# Altium PCB PicoBOB_DLX.pcbdoc (part 1 of 4) (continued)
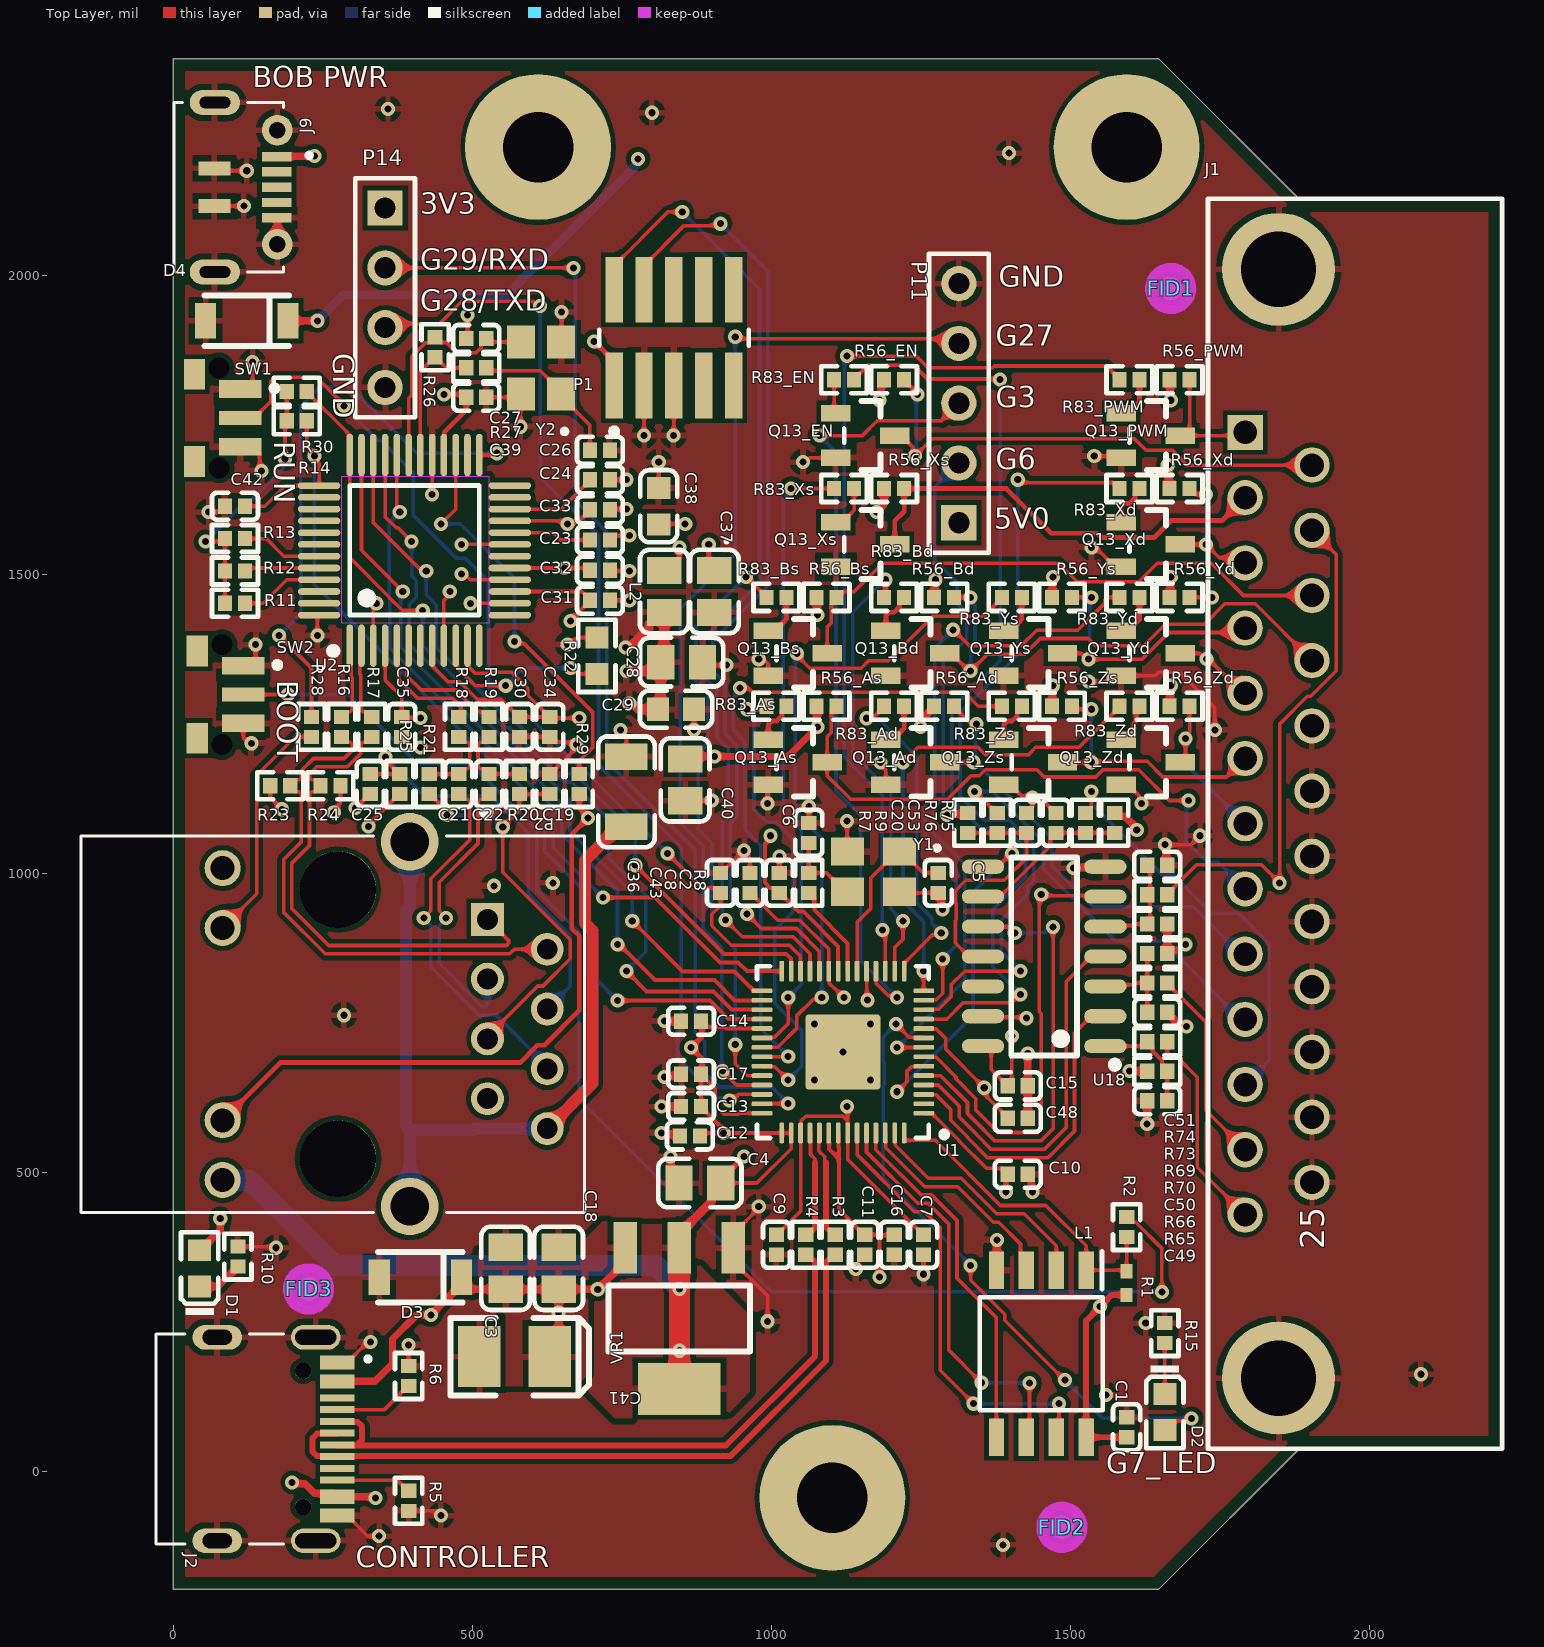
[diagram p0: Top Layer view]
## Design rules (kind name [scope] priority, off if disabled: settings) (continued)
SilkToSolderMaskClearance SilkscreenOverComponentPads [IsPad] p1: minsilkscreentomaskgap=10 clearancetoexposedcopper=TRUE
SolderMaskExpansion [All] p1: expansion=4 istentingtop=FALSE
ViasUnderSMD [All] p1: allowed=FALSE
Width [All] p1: maxlimit=200 minlimit=5 preferedwidth=8 midlayer1_minwidth=6 midlayer2_minwidth=6 bottomlayer_minwidth=6 minimp=50.000000 maximp=50.000000 favimp=50.000000
26 further rules are at their usual default settings.

## Classes and differential pairs
component class EXT_KEYPAD: P11 P14
component class Zs: Q13_Zs R56_Zs R83_Zs
component class Zd: Q13_Zd R56_Zd R83_Zd
component class Ys: Q13_Ys R56_Ys R83_Ys
component class Yd: Q13_Yd R56_Yd R83_Yd
component class Xs: Q13_Xs R56_Xs R83_Xs
component class Xd: Q13_Xd R56_Xd R83_Xd
component class As: Q13_As R56_As R83_As
component class Ad: Q13_Ad R56_Ad R83_Ad
component class MCU: C1 C2 C3 C4 C5 C6 C7 C8 C9 C10 C11 C12 C13 C14 C15 C16 C17 C18 C43 C? J2 L1 P1 R1 R2 R3 R4 R5 R6 R8 U1 U? VR1 VR? Y1
channel class 5V_Output_shift: Ad As Bd Bs EN PWM Xd Xs Yd Ys Zd Zs
component class PWM: Q13_PWM R56_PWM R83_PWM
component class EN: Q13_EN R56_EN R83_EN
component class Bs: Q13_Bs R56_Bs R83_Bs
component class Bd: Q13_Bd R56_Bd R83_Bd
component class PicoBOB_PCBA: AD_L Analog C19 C20 C21 C22 C23 C24 C25 C26 C27 C28 C29 C30 C31 C32 C33 C34 C35 C36 C37 C38 C39 C40 C41 C42 C48 C49 C50 C51 C53 D1 D2 D3 D4 J1 J9 L2 P2 PWM_L R7 R9 R10 R11 R12 R13 R14 R15 R16 R17 R18 R19 R20 R21 R22 R23 R24 R25 R26 R27 R28 R29 R30 R65 R66 R69 R70 R73 R74 R75 R76 SW1 SW2 U2 U18 Y2
differential pair TX: +TX_P -TX_N
differential pair TX_R: +TX_R_P -TX_R_N
differential pair RX: +RX_P -RX_N
differential pair RX_R: +RX_R_P -RX_R_N
differential pair RX_C: +RX_C_P -RX_C_N
differential pair USB_D: +USB_D_P -USB_D_N
differential pair USB_D_R: +USB_D_R_P -USB_D_R_N

## Components (designator, comment, footprint, x,y, rotation, side; value= is the part's Value field where it differs from the comment)
C1 "100nF" 0402_C 1594.49,73.82 r270 top
C2 "4.7uF" 0402_C 1013.78,984.25 r270 top
C3 "22uF" 0805_C 556.1,339.57 r270 top
C4 "22uF" 0805_C 880.91,482.28 r0 top
C5 "10pF" 0402_C 1279.53,984.25 r270 top
C6 "10pF" 0402_C 1062.99,1067.91 r90 top
C7 "100nF" 0402_C 1254.92,378.94 r90 top
C8 "100nF" 0402_C 964.57,984.25 r270 top
C9 "1.0uF" 0402_C 1008.86,378.94 r90 top
C10 "1.0uF" 0402_C 1412.4,497.05 r180 top
C11 "100nF" 0402_C 1156.5,378.94 r90 top
C12 "100nF" 0402_C 864.17,561.02 r0 top
C13 "100nF" 0402_C 866.14,610.24 r0 top
C14 "100nF" 0402_C 866.14,752.95 r0 top
C15 "100nF" 0402_C 1412.4,644.68 r180 top
C16 "100nF" 0402_C 1205.71,378.94 r90 top
C17 "100nF" 0402_C 866.14,664.37 r0 top
C18 "22uF" 0805_C 644.69,339.57 r270 top
C19 "10nF" 0402_C 629.92,1149.61 r270 top
C20 "10nF" 0402_C 1427.17,1084.65 r270 top
C21 "6.8nF" 0402_C 477.36,1149.61 r90 top
C22 "6.8nF" 0402_C 528.22,1149.61 r90 top
C23 "4.7uF" 0402_C 713.58,1557.58 r180 top
C24 "10nF" 0402_C 713.58,1658.46 r180 top
C25 "22nF" 0402_C 329.72,1149.61 r90 top
C26 "10pF" 0402_C 713.58,1707.68 r180 top
C27 "10pF" 0402_C 506.89,1894.68 r0 top
C28 "22uF" 0805_C 850.2,1353.35 r180 top
C29 "4.7uF" 0603_C 840.94,1274.61 r180 top
C30 "100nF" 0402_C 579.07,1245.08 r90 top
C31 "100nF" 0402_C 713.58,1456.69 r180 top
C32 "100nF" 0402_C 713.58,1507.14 r180 top
C33 "100nF" 0402_C 713.58,1608.02 r180 top
C34 "100nF" 0402_C 629.92,1245.08 r90 top
C35 "100nF" 0402_C 382.22,1245.08 r90 top
C36 "1nF" 1206_C 757.87,1136.42 r270 top
C37 "22uF" 0805_C 904.92,1471.46 r90 top
C38 "4.7uF" 0603_C 812.01,1614.17 r270 top
C39 "100nF" 0402_C 506.89,1796.26 r180 top
C40 "22uF" 0805_C 856.3,1156.5 r90 top
C41 "100uF" CASE-B_3528 570.87,191.93 r0 top
C42 "1.0uF" 0402_C 103.35,1614.17 r0 top
C43 "1.0uF" 0402_C 915.35,984.25 r270 top
C48 "1.0uF" 0402_C 1412.4,590.55 r0 top
C49 "10nF" 0402_C 1645.67,620.08 r0 top
C50 "10nF" 0402_C 1645.67,767.72 r180 top
C51 "10nF" 0402_C 1645.67,1013.78 r180 top
C53 "10nF" 0402_C 1476.38,1084.65 r270 top
D1 "0603 Green" 0603_LED_S1 44.29,339.57 r90 top
D2 "0603 White" 0603_LED_S1 1658.46,99.21 r270 top
D3 "ZMM5V6" LL-34 413.39,324.8 r180 top
D4 "ZMM5V6" LL-34 123.03,1924.21 r180 top
FID1 "Fiducial" Fiducial10-20 1668.31,1978.35 r90 top
FID2 "Fiducial" Fiducial10-20 1486.22,-93.5 r90 top
FID3 "Fiducial" Fiducial10-20 226.38,305.12 r90 top
J1 "D-DMR025PF-D002" 618025231121 1976.57,1083.17 r90 top locked
J2 "TYPE-C-31-M-12" HRO_TYPE-C-31-M-12 73.82,54.13 r270 top
J9 "MICROXNJ" SHOUHAN_MICROXNJ 0.98,2147.64 r90 top
L1 "W25Q128JVSIQ_TR" SOIC127P780X195-8N 1451.77,196.85 r270 top
L2 "220Ω @ 100MHz 1 2A" 0805_C 821.26,1471.46 r270 top
P1 "FTSH-105-01-L-DV" SMTC-FTSH-105-01-L-DV_V 837.4,1896.06 r0 top
P2 "Magjack" HANRUN_HR911105A 275.59,748.03 r90 top
P11 "Header 5" HDR1X5 1313.98,1586.42 r90 top
P14 "Header 4" HDR1X4 354.33,2112.8 r270 top locked
Q13_Ad "MMBT5551  G1" SOT-23(SOT-23-3) 1241.2,1186.02 r180 top (schematic designator Q13)
Q13_As "MMBT5551  G1" SOT-23(SOT-23-3) 1044.35,1186.02 r180 top (schematic designator Q13)
Q13_Bd "MMBT5551  G1" SOT-23(SOT-23-3) 1241.2,1368.11 r180 top (schematic designator Q13)
Q13_Bs "MMBT5551  G1" SOT-23(SOT-23-3) 1044.35,1368.11 r180 top (schematic designator Q13)
Q13_EN "MMBT5551  G1" SOT-23(SOT-23-3) 1157.54,1732.28 r180 top (schematic designator Q13)
Q13_PWM "MMBT5551  G1" SOT-23(SOT-23-3) 1634.91,1732.28 r180 top (schematic designator Q13)
Q13_Xd "MMBT5551  G1" SOT-23(SOT-23-3) 1634.91,1550.2 r180 top (schematic designator Q13)
Q13_Xs "MMBT5551  G1" SOT-23(SOT-23-3) 1157.54,1550.2 r180 top (schematic designator Q13)
Q13_Yd "MMBT5551  G1" SOT-23(SOT-23-3) 1634.91,1368.11 r180 top (schematic designator Q13)
Q13_Ys "MMBT5551  G1" SOT-23(SOT-23-3) 1438.06,1368.11 r180 top (schematic designator Q13)
Q13_Zd "MMBT5551  G1" SOT-23(SOT-23-3) 1634.91,1186.02 r180 top (schematic designator Q13)
Q13_Zs "MMBT5551  G1" SOT-23(SOT-23-3) 1438.06,1186.02 r180 top (schematic designator Q13)
R1 "DNP" 0402 1594.49,314.96 r270 top value=0R
R2 "1KΩ ±1%" 0402_R 1594.49,408.46 r270 top
R3 "22Ω ±1%" 0402_R 1107.28,378.94 r90 top
R4 "22Ω ±1%" 0402_R 1058.07,378.94 r90 top
R5 "5.1KΩ ±1%" 0402_R 393.7,-49.21 r270 top
R6 "5.1KΩ ±1%" 0402_R 393.7,159.45 r90 top
R7 "100KΩ ±1%" 0402_R 1328.74,1084.65 r90 top
R8 "470Ω ±1%" 0402_R 1062.99,984.25 r270 top
R9 "510Ω ±1%" 0402_R 1377.95,1084.65 r270 top
R10 "5.1KΩ ±1%" 0402_R 108.27,359.25 r90 top
R11 "10KΩ ±1%" 0402_R 103.35,1451.77 r0 top
R12 "10KΩ ±1%" 0402_R 103.35,1505.91 r0 top
R13 "10KΩ ±1%" 0402_R 103.35,1560.04 r0 top
R14 "10KΩ ±1%" 0402_R 206.69,1756.89 r180 top
R15 "510Ω ±1%" 0402_R 1658.46,231.3 r270 top
R16 "33Ω ±1%" 0402_R 281.61,1245.08 r90 top
R17 "33Ω ±1%" 0402_R 331.91,1245.08 r90 top
R18 "33Ω ±1%" 0402_R 477.36,1245.08 r90 top
R19 "33Ω ±1%" 0402_R 528.22,1245.08 r90 top
R20 "49.9Ω ±1%" 0402_R 579.07,1149.61 r90 top
R21 "49.9Ω ±1%" 0402_R 428.15,1149.61 r90 top
R22 "12.4KΩ ±1%" 0603_R 708.66,1363.98 r270 top
R23 "49.9Ω ±1%" 0402_R 179.13,1146.65 r0 top
R24 "49.9Ω ±1%" 0402_R 262.8,1146.65 r180 top
R25 "10Ω ±1%" 0402_R 378.94,1149.61 r90 top
R26 "1MΩ ±1%" 0402_R 437.99,1879.92 r90 top
R27 "0Ω ±1%" 0402_R 506.89,1845.47 r0 top
R28 "330Ω ±1%" 0402_R 231.3,1245.08 r270 top
R29 "330Ω ±1%" 0402_R 679.13,1149.61 r270 top
R30 "4.7KΩ ±1%" 0402_R 206.69,1806.1 r180 top
R56_Ad "330Ω ±1%" 0402_R 1289.37,1279.53 r180 top (schematic designator R56)
R56_As "330Ω ±1%" 0402_R 1092.52,1279.53 r180 top (schematic designator R56)
R56_Bd "330Ω ±1%" 0402_R 1289.37,1461.61 r180 top (schematic designator R56)
R56_Bs "330Ω ±1%" 0402_R 1092.52,1461.61 r180 top (schematic designator R56)
R56_EN "330Ω ±1%" 0402_R 1205.71,1825.79 r180 top (schematic designator R56)
R56_PWM "330Ω ±1%" 0402_R 1683.07,1825.79 r180 top (schematic designator R56)
R56_Xd "330Ω ±1%" 0402_R 1683.07,1643.7 r180 top (schematic designator R56)
R56_Xs "330Ω ±1%" 0402_R 1205.71,1643.7 r180 top (schematic designator R56)
R56_Yd "330Ω ±1%" 0402_R 1683.07,1461.61 r180 top (schematic designator R56)
R56_Ys "330Ω ±1%" 0402_R 1486.22,1461.61 r180 top (schematic designator R56)
R56_Zd "330Ω ±1%" 0402_R 1683.07,1279.53 r180 top (schematic designator R56)
R56_Zs "330Ω ±1%" 0402_R 1486.22,1279.53 r180 top (schematic designator R56)
R65 "100KΩ ±1%" 0402_R 1645.67,669.29 r180 top
R66 "510Ω ±1%" 0402_R 1645.67,718.5 r180 top
R69 "100KΩ ±1%" 0402_R 1645.67,866.14 r0 top
R70 "510Ω ±1%" 0402_R 1645.67,816.93 r180 top
R73 "100KΩ ±1%" 0402_R 1645.67,915.35 r0 top
R74 "510Ω ±1%" 0402_R 1645.67,964.57 r180 top
R75 "100KΩ ±1%" 0402_R 1574.8,1084.65 r90 top
R76 "510Ω ±1%" 0402_R 1525.59,1084.65 r270 top
R83_Ad "2.2KΩ ±1%" 0402_R 1205.71,1279.53 r0 top (schematic designator R83)
R83_As "2.2KΩ ±1%" 0402_R 1008.86,1279.53 r0 top (schematic designator R83)
R83_Bd "2.2KΩ ±1%" 0402_R 1205.71,1461.61 r0 top (schematic designator R83)
R83_Bs "2.2KΩ ±1%" 0402_R 1008.86,1461.61 r0 top (schematic designator R83)
R83_EN "2.2KΩ ±1%" 0402_R 1122.05,1825.79 r180 top (schematic designator R83)
R83_PWM "2.2KΩ ±1%" 0402_R 1599.41,1825.79 r0 top (schematic designator R83)
R83_Xd "2.2KΩ ±1%" 0402_R 1599.41,1643.7 r0 top (schematic designator R83)
R83_Xs "2.2KΩ ±1%" 0402_R 1122.05,1643.7 r0 top (schematic designator R83)
R83_Yd "2.2KΩ ±1%" 0402_R 1599.41,1461.61 r0 top (schematic designator R83)
R83_Ys "2.2KΩ ±1%" 0402_R 1402.56,1461.61 r0 top (schematic designator R83)
R83_Zd "2.2KΩ ±1%" 0402_R 1599.41,1279.53 r0 top (schematic designator R83)
R83_Zs "2.2KΩ ±1%" 0402_R 1402.56,1279.53 r0 top (schematic designator R83)
SW1 "SKRTLAE010" ALPS-SKRTLAE010_V 73.82,1761.81 r270 top
SW2 "SKRTLAE010" ALPS-SKRTLAE010_V 78.74,1299.21 r270 top
U1 "RP2040" RP2040 1120.08,701.28 r180 top
U2 "W5500" LQFP-48_7x7x05P 403.54,1540.35 r0 top
U18 "74HC14D" SOIC-14_150mil 1456.69,861.22 r90 top
VR1 "AMS1117-3.3" SOT-223 846.46,255.91 r90 top
Y1 "YSX321SL" YSX321SL 1171.26,1003.02 r180 top
Y2 "25.0 MHz" YSX321SL 615.16,1845.47 r90 top

## Footprints (in the part's own frame and the unit in brackets; to place one, negate y for a bottom-side part, rotate by r counter-clockwise, add the part's x,y. Pads: shape width x height; smd on the part's side, far side on the other; paste and mask are expansions set on the pad)
0402 [mm] "Chip Capacitor, Body 1.0x0.5mm, IPC High Density"
  rect 0.6x0.5 smd: 1(-0.5,0) 2(0.5,0)
  body extent -0.55,-0.3 0.55,0.3, height 1.3
0402_C [mm]
  rect 0.6x0.65 smd mask+0.051: 1(-0.425,0) 2(0.425,0)
  silkscreen extent -0.97,-0.58 0.98,0.58, body extent -0.48,-0.3 0.52,0.3, height 0.2
0402_R [mm]
  rect 0.6x0.65 smd mask+0.051: 1(-0.425,0) 2(0.425,0)
  silkscreen extent -0.97,-0.58 0.97,0.58, body extent -0.57,-0.27 0.58,0.28, height 0.41
0603_C [mm]
  rect 0.93x0.98 smd: 1(-0.77,0) 2(0.77,0)
  silkscreen extent -1.53,-0.79 1.54,0.79, body extent -0.8,-0.4 0.8,0.4, height 0.3
0603_LED_S1 [mm]
  rect 0.93x0.98 smd: A(0.77,0) K(-0.77,0)
  silkscreen extent -1.97,-0.79 1.54,0.79, body extent -0.8,-0.4 0.8,0.4, height 0.6
0603_R [mm]
  rect 0.93x0.98 smd: 1(-0.77,0) 2(0.77,0)
  silkscreen extent -1.53,-0.79 1.54,0.79, body extent -0.85,-0.4 0.85,0.4, height 0.56
0805_C [mm]
  rect 1.16x1.47 smd: 1(-0.89,0) 2(0.89,0)
  silkscreen extent -1.77,-1.04 1.77,1.04, body extent -1,-0.62 1,0.63, height 0.77
1206_C [mm]
  rect 1.13x1.8 smd: 1(-1.49,0) 2(1.49,0)
  silkscreen extent -2.36,-1.2 2.35,1.2, body extent -1.6,-0.81 1.6,0.79, height 1
618025231121 [mm] "25 pins, right angled, 8.08mm, with hex screw"
  rect 1.5x1.5 hole 1: 1(16.62,4.67)
  round 1.5 hole 1: 2(13.85,4.67) 3(11.08,4.67) 4(8.31,4.67) 5(5.54,4.67) 6(2.77,4.67) 7(0,4.67) 8(-2.77,4.67) 9(-5.54,4.67) 10(-8.31,4.67) 11(-11.08,4.67) 12(-13.85,4.67) 13(-16.62,4.67) 14(15.235,1.83) 15(12.465,1.83) 16(9.695,1.83) 17(6.925,1.83) 18(4.155,1.83) 19(1.385,1.83) 20(-1.385,1.83) 21(-4.155,1.83) 22(-6.925,1.83) 23(-9.695,1.83) 24(-12.465,1.83) 25(-15.235,1.83)
  round 4.8 hole 3.2: M1(-23.55,3.25) M2(23.55,3.25)
  silkscreen extent -26.55,-6.25 26.55,6.25, body extent -26.55,-12.25 26.55,6.25, height 12.55
ALPS-SKRTLAE010_V [mm] "SMD, 3-Leads, Body 4.5x3.55mm, Pitch 1.225mm"
  rect 0.75x1.8 smd: 1(-1.225,0.975) 3(1.225,0.975)
  rect 0.6x1.8 smd: 2(0,0.975)
  round 0 hole 0.9 unplated: MH1(-2.125,0.075) MH2(2.125,0.075)
  rect 1.3x0.9 smd: MP1(-1.85,-0.975) MP2(1.85,-0.975)
  silkscreen extent -1.38,2.3 -1.13,2.55, body extent -2.25,-1.94 2.25,1.61, height 3.36
CASE-B_3528 [mm]
  rect 1.8x2.6 smd: 1(1.5,0) 2(-1.5,0)
  silkscreen extent -2.73,-1.65 3.16,1.65, body extent -1.85,-1.47 1.85,1.46, height 2.03
Fiducial10-20 [mm]
  round 1 smd mask+0.5: 1(0,0)
  Top Layer keep-out circle w1.178: c0,0 r0.5
HANRUN_HR911105A [mm]
  rect 1.398x1.398 hole 0.89: 1(4.45,-6.35)
  round 1.398 hole 0.89: 2(3.18,-8.89) 3(1.91,-6.35) 4(0.64,-8.89) 5(-0.63,-6.35) 6(-1.9,-8.89) 7(-3.17,-6.35) 8(-4.44,-8.89)
  round 1.53 hole 1.02: 9(6.625,4.9) 10(4.085,4.9) 11(-4.085,4.9) 12(-6.625,4.9)
  round 2.445 hole 1.63: 15(7.745,-3.05) 16(-7.745,-3.05)
  round 3.25 hole 3.25 unplated: ""(-5.715,0) ""(5.715,0)
  silkscreen extent -8,-10.48 9.15,10.92, body extent -7.95,-10.43 7.94,10.97, height 13.53
HDR1X4 [mm] "Connector; Header; 4 Position"
  rect 1.5x1.5 hole 0.9: 1(0,0)
  round 1.5 hole 0.9: 2(2.54,0) 3(5.08,0) 4(7.62,0)
  silkscreen extent -1.27,-1.27 8.89,1.27, body extent -1.27,-1.27 8.89,1.27, height 8.89
HDR1X5 [mm] "Connector; Header; 5 Position"
  rect 1.5x1.5 hole 0.9: 1(0,0)
  round 1.5 hole 0.9: 2(2.54,0) 3(5.08,0) 4(7.62,0) 5(10.16,0)
  silkscreen extent -1.27,-1.27 11.43,1.27, body extent -1.27,-1.27 11.43,1.27, height 8.89
HRO_TYPE-C-31-M-12 [mm]
  rect 0.6x1.45 smd: A1B12(-3.25,5.095) A4B9(-2.45,5.095) B1A12(3.25,5.095) B4A9(2.45,5.095)
  rect 0.3x1.45 smd: A5(-1.25,5.095) A6(-0.25,5.095) A7(0.25,5.095) A8(1.25,5.095) B5(1.75,5.095) B6(0.75,5.095) B7(-0.75,5.095) B8(-1.75,5.095)
  oval 1.05x2.1 hole 0.65 slot 1.75 at 90 deg: S1(-4.32,4.18) S2(4.32,4.18)
  oval 1.05x2.1 hole 0.65 slot 1.25 at 90 deg: S3(-4.32,0) S4(4.32,0)
  round 0.7 hole 0.7 unplated: ""(-2.89,3.65) ""(2.89,3.65)
  silkscreen extent -4.47,-2.6 4.47,6.5, body extent -4.47,-2.6 4.47,5.3, height 3.31
LL-34 [mm]
  rect 0.9x1.5 smd: 1(1.75,0) 2(-1.75,0)
  silkscreen extent -1.8,-1.08 1.8,1.08
LQFP-48_7x7x05P [mm]
  oval 0.28x1.8 smd mask+0.051: 1(-2.75,-4.05) 2(-2.25,-4.05) 3(-1.75,-4.05) 4(-1.25,-4.05) 5(-0.75,-4.05) 6(-0.25,-4.05) 7(0.25,-4.05) 8(0.75,-4.05) 9(1.25,-4.05) 10(1.75,-4.05) 11(2.25,-4.05) 12(2.75,-4.05) 25(2.75,4.05) 26(2.25,4.05) 27(1.75,4.05) 28(1.25,4.05) 29(0.75,4.05) 30(0.25,4.05) 31(-0.25,4.05) 32(-0.75,4.05) 33(-1.25,4.05) 34(-1.75,4.05) 35(-2.25,4.05) 36(-2.75,4.05)
  oval 1.8x0.28 smd mask+0.051: 13(4.05,-2.75) 14(4.05,-2.25) 15(4.05,-1.75) 16(4.05,-1.25) 17(4.05,-0.75) 18(4.05,-0.25) 19(4.05,0.25) 20(4.05,0.75) 21(4.05,1.25) 22(4.05,1.75) 23(4.05,2.25) 24(4.05,2.75) 37(-4.05,2.75) 38(-4.05,2.25) 39(-4.05,1.75) 40(-4.05,1.25) 41(-4.05,0.75) 42(-4.05,0.25) 43(-4.05,-0.25) 44(-4.05,-0.75) 45(-4.05,-1.25) 46(-4.05,-1.75) 47(-4.05,-2.25) 48(-4.05,-2.75)
  silkscreen extent -3.6,-4.42 2.75,2.75, body extent -4.5,-4.5 4.5,4.5, height 1.6
RP2040 [mm]
  rrect50% 0.875x0.2 smd: 1(-3.437,2.6) 2(-3.437,2.2) 3(-3.437,1.8) 4(-3.437,1.4) 5(-3.437,1) 6(-3.437,0.6) 7(-3.438,0.2) 8(-3.438,-0.2) 9(-3.438,-0.6) 10(-3.437,-1) 11(-3.437,-1.4) 12(-3.437,-1.8) 13(-3.437,-2.2) 14(-3.437,-2.6) 29(3.437,-2.6) 30(3.437,-2.2) 31(3.437,-1.8) 32(3.437,-1.4) 33(3.437,-1) 34(3.438,-0.6) 35(3.438,-0.2) 36(3.438,0.2) 37(3.437,0.6) 38(3.437,1) 39(3.437,1.4) 40(3.437,1.8) 41(3.437,2.2) 42(3.437,2.6)
  rrect50% 0.2x0.875 smd: 15(-2.6,-3.437) 16(-2.2,-3.437) 17(-1.8,-3.437) 18(-1.4,-3.437) 19(-1,-3.437) 20(-0.6,-3.437) 21(-0.2,-3.438) 22(0.2,-3.438) 23(0.6,-3.438) 24(1,-3.437) 25(1.4,-3.437) 26(1.8,-3.437) 27(2.2,-3.437) 28(2.6,-3.437) 43(2.6,3.437) 44(2.2,3.437) 45(1.8,3.437) 46(1.4,3.437) 47(1,3.437) 48(0.6,3.438) 49(0.2,3.438) 50(-0.2,3.438) 51(-0.6,3.437) 52(-1,3.437) 53(-1.4,3.437) 54(-1.8,3.437) 55(-2.2,3.437) 56(-2.6,3.437)
  rrect10% 3.2x3.2 smd: 57(0,0)
  silkscreen extent -4.43,-3.65 3.65,3.65, body extent -3.5,-3.5 3.5,3.5, height 0.9
SHOUHAN_MICROXNJ [mm]
  rect 0.4x1.25 smd: 1(1.3,-4.375) 2(0.65,-4.375) 3(0,-4.375) 4(-0.65,-4.375) 5(-1.3,-4.375)
  rect 0.6x1.35 smd: S1(-0.8,-1.725) S2(0.8,-1.725)
  oval 1.07x2.14 hole 0.5 slot 1.3 at 90 deg: S3(-3.6,-1.75) S6(3.6,-1.75)
  round 1.3 hole 0.7: S4(-2.425,-4.4) S5(2.425,-4.4)
  silkscreen extent -3.6,-5.85 3.6,0, body extent -3.95,-4.9 3.95,1, height 2.7
SMTC-FTSH-105-01-L-DV_V [mm] "CONN, 10-Leads, Body 6.35x3.43mm, Pitch 1.27mm"
  rect 0.74x2.79 smd: 1(-2.54,-2.035) 2(-2.54,2.035) 3(-1.27,-2.035) 4(-1.27,2.035) 5(0,-2.035) 6(0,2.035) 7(1.27,-2.035) 8(1.27,2.035) 9(2.54,-2.035) 10(2.54,2.035)
  silkscreen extent -3.17,-4.1 3.18,0.34, body extent -3.17,-2.92 3.18,2.92, height 5.96
SOIC127P780X195-8N [mm]
  rect 1.6x0.65 smd: 1(-3.55,1.905) 2(-3.55,0.635) 3(-3.55,-0.635) 4(-3.55,-1.905) 5(3.55,-1.905) 6(3.55,-0.635) 7(3.55,0.635) 8(3.55,1.905)
  silkscreen extent -4.35,-2.62 2.4,2.62, body extent -3.9,-2.62 3.9,2.62, height 1.95
SOIC-14_150mil [mm]
  oval 0.6x1.8 smd: 1(-3.81,-2.6) 2(-2.54,-2.6) 3(-1.27,-2.6) 4(0,-2.6) 5(1.27,-2.6) 6(2.54,-2.6) 7(3.81,-2.6) 8(3.81,2.6) 9(2.54,2.6) 10(1.27,2.6) 11(0,2.6) 12(-1.27,2.6) 13(-2.54,2.6) 14(-3.81,2.6)
  silkscreen extent -4.75,-3.15 4.2,1.4, body extent -4.35,-3 4.35,3, height 1.35
SOT-23(SOT-23-3) [mm]
  rect 1.25x0.7 smd: 1(1.25,-0.95) 2(1.25,0.95) 3(-1.25,0)
  silkscreen extent -0.65,-1.46 0.9,1.46, body extent -1.5,-1.5 1.5,1.5, height 1.3
SOT-223 [mm]
  rect 2.2x1 smd: 1(3,-2.3) 2(3,0) 3(3,2.3)
  rect 2.2x3.5 smd: 2(-3,0)
  silkscreen extent -1.4,-3 1.4,3, body extent -3.49,-3.24 3.49,3.24, height 1.64
YSX321SL [mm]
  rect 1.4x1.2 smd: 1(-1.1,-0.85) 2(1.1,-0.85) 3(1.1,0.85) 4(-1.1,0.85)
  silkscreen extent -2.8,-1.1 -2.6,-0.9, body extent -1.68,-1.33 1.68,1.33, height 0.9

## Part data
C1 C7 C8 C11 C12 C13 C14 C15 C16 C17 C30 C31 C32 C33 C34 C35 C39: library part "0402 100nF (104) 10% 16V", "Chip capacitors", Manufacturer="Samsung Electro-Mechanics", Package=0402, PartNumber=CL05B104KO5NNNC, SuppliersPartNumber=C1525, Tolerance=10%, VOLTAGE=16V, Capacitance=100nF, ComponentLink1Description="Supplier link", ComponentLink1URL=http://www.szlcsc.com/product/details_1877.html, Supplier=LC
C2 C23: library part "0402 4.7uF (475) 20% 10V", "Chip capacitor", Manufacturer="Samsung Electro-Mechanics", Package=0402, PartNumber=CL05A475MP5NRNC, SuppliersPartNumber=C23733, Tolerance=20%, VOLTAGE=10V, Capacitance=4.7uF, ComponentLink1Description="Supplier link", ComponentLink1URL=http://www.szlcsc.com/product/details_24469.html, Supplier=LC
C3 C4 C18 C28 C37 C40: library part "0805 22uF (226) 20% 25V", "Chip capacitors", Manufacturer="Samsung Electro-Mechanics", Package=0805, PartNumber=CL21A226MAQNNNE, SuppliersPartNumber=C2922481, Tolerance=20%, VOLTAGE=25V, Capacitance=22uF, ComponentLink1Description="Supplier link", ComponentLink1URL=http://www.szlcsc.com/product/details_46786.html, Supplier=LC
C5 C6 C26 C27: library part "0402 10pF (100) 5% 50V", "Chip capacitors", Manufacturer="Samsung Electro-Mechanics", Package=0402, PartNumber=CL05C100JB5NNNC, SuppliersPartNumber=C32949, Tolerance=5%, VOLTAGE=50V, Capacitance=10pF, ComponentLink1Description="Supplier link", ComponentLink1URL=http://www.szlcsc.com/product/details_33914.html, Supplier=LC
C9 C10 C42 C43 C48: library part "0402 1.0uF (105) 10% 25V", "Chip capacitor", Capacitance=1uF, Manufacturer="Samsung Electro-Mechanics", Package=0402, PartNumber=CL05A105KA5NQNC, SuppliersPartNumber=C52923, Tolerance=10%, VOLTAGE=25V, ComponentLink1Description="Supplier link", ComponentLink1URL=http://www.szlcsc.com/product/details_53938.html, Supplier=LC
C19 C20 C24 C49 C50 C51 C53: library part "0402 10nF (103) 10% 50V", "Chip capacitors", Manufacturer="Samsung Electro-Mechanics", Package=0402, PartNumber=CL05B103KB5NNNC, SuppliersPartNumber=C15195, Tolerance=10%, VOLTAGE=50V, Capacitance=10nF, ComponentLink1Description="Supplier link", ComponentLink1URL=http://www.szlcsc.com/product/details_15869.html, Supplier=LC
C21 C22: library part "0402 6.8nF (682) 10% 50V", "Chip capacitors", Manufacturer="Guangdong Fenghua Advanced Tech", Package=0402, PartNumber=0402B682K500NT, SuppliersPartNumber=C1542, Tolerance=10%, VOLTAGE=50V, Capacitance=6.8nF, ComponentLink1Description="Supplier link", ComponentLink1URL=http://www.szlcsc.com/product/details_1894.html, Supplier=LC
C25: library part "0402 22nF (223) 10% 50V", "Chip capacitors", Manufacturer="Guangdong Fenghua Advanced Tech", Package=0402, PartNumber=0402B223K500NT, SuppliersPartNumber=C1532, Tolerance=10%, VOLTAGE=50V, Capacitance=22nF, ComponentLink1Description="Supplier link", ComponentLink1URL=http://www.szlcsc.com/product/details_1884.html, Supplier=LC
C29 C38: library part "0603 4.7uF (475) 10% 16V", "Chip capacitors", Manufacturer="Samsung Electro-Mechanics", Package=0603, PartNumber=CL10A475KO8NNNC, SuppliersPartNumber=C19666, Tolerance=10%, VOLTAGE=16V, Capacitance=4.7uF, ComponentLink1Description="Supplier link", ComponentLink1URL=http://www.szlcsc.com/product/details_20375.html, Supplier=LC
C36: library part "1206 1nF (102) 10% 500V", "Chip capacitors", Manufacturer="Samsung Electro-Mechanics", Package=1206, PartNumber=CL31B102KGFNNNE, SuppliersPartNumber=C35216, Tolerance=10%, VOLTAGE=500V, Capacitance=1nF, ComponentLink1Description="Supplier link", ComponentLink1URL=http://www.szlcsc.com/product/details_36187.html, Supplier=LC
C41: library part "3528 100uF (107) 10% 6.3V", "Tantalum capacitor", Manufacturer=AVX, Package=3528, PartNumber=TAJB107K006RNJ, SuppliersPartNumber=C16133, Tolerance=10%, VOLTAGE=6.3V, Capacitance=100uF, ComponentLink1Description="Supplier link", ComponentLink1URL=http://www.szlcsc.com/product/details_16815.html, Supplier=LC
D1: library part "0603 LED Green", "LED", Color=Green, Package=0603, SuppliersPartNumber=C72043, ComponentLink1Description=供应商链接, ComponentLink1URL=http://www.szlcsc.com/product/details_73152.html, Supplier=LC
D2: library part "0603 LED White", "LED", Color=White, Package=0603, SuppliersPartNumber=C2290, ComponentLink1Description=供应商链接, ComponentLink1URL=http://www.szlcsc.com/product/details_2663.html, Supplier=LC
D3 D4: library part "LL-34 ZMM5V6", "500mW - 0.1uA @ 1V 5.6V LL-34 Zener Diodes ROHS", Package=LL-34, SuppliersPartNumber=C8062, ComponentLink1Description=供应商链接, ComponentLink1URL=http://www.szlcsc.com/product/details_8541.html, Supplier=LC
FID1 FID2 FID3: "FIDUCIAL NO ASSEMBLY", Manufacturer 1=NONE, Manufacturer Part Number 1=NONE
J1: library part CMP-1502-00202-1, "Through Hole,P=2.77mm D-Sub Connectors ROHS", SuppliersPartNumber=C190083, PartNumber=D-DMR025PF-D002
J2: "USB Connectors 24 Receptacle 1 8.94*7.3mm RoHS", Package=Package, SuppliersPartNumber=C165948, Availability=Unavailable, MF="HRO Electronics Co., Ltd.", MP=TYPE-C-31-M-12, Price=None, SnapEDA_Link=https://www.snapeda.com/parts/TYPE-C-31-M-12/HRO%20Electronics%20Co.,%20Ltd./view-part/3228496/?ref=snap
J9: "Micro USB", Package=Package, SuppliersPartNumber=C404969, Availability=Unavailable, Check_prices=https://www.snapeda.com/parts/MICROXNJ/Shouhan/view-part/5703693/?ref=eda, MF=Shouhan, MP=MICROXNJ, Price=None, SnapEDA_Link=https://www.snapeda.com/parts/MICROXNJ/Shouhan/view-part/5703693/?ref=snap
L1: "Inductor", Arrow Part Number="W25Q128JVSIQ TR", Manufacturer_Name=Winbond, Mouser Part Number=454-W25Q128JVSIQTR, SuppliersPartNumber=C97521, Arrow Price/Stock=https://www.arrow.com/en/products/w25q128jvsiqtr/winbond-electronics?region=nac, Datasheet Link=http://www.winbond.com/resource-files/w25q128jv%20spi%20revc%2011162016.pdf, HEIGHT=1.95mm, Manufacturer_Part_Number="W25Q128JVSIQ TR", Mouser Price/Stock=https://www.mouser.co.uk/ProductDetail/Winbond/W25Q128JVSIQ-TR?qs=qSfuJ%252Bfl%2Fd7vTyLA9kNdGw%3D%3D
L2: library part "0402 220R@100Mhz 0.1A", "220Ω @ 100MHz 1 2A 150mΩ 0805 Ferrite Beads ROHS", Package=0805, SuppliersPartNumber=C139188, Supplier=LC
P1: library part CMP-2000-05354-1, "Male Header, Pitch 1.27 mm, 2 x 5 Position, Height 5.96 mm, -55 to 125 degC, RoHS, Bulk", Color=Black, Manufacturer=Samtec, Standard Package=1, Catalog Drawings=FTSHSeriesFTSHSeriesSMTSide, Category=Connectors,Interconnects, Connector Type=Header,Unshrouded, Contact Finish=Gold, Contact Finish Thickness=10µin(0.25µm), Contact Mating Length="0.120\"(3.05mm)", Contact Type=MalePin, Datasheet URL=https://datasheet.ciiva.com/30493/0900766b80adfe36-30493006.pdf, Datasheet Version=Feb-08, EDA / CAD Models=DownloadfromAcceleratedDesigns, Family=RectangularConnectors-Headers,MalePins, Fastening Type=-, Featured Product=Board-To-BoardInterconnectSystems, Features=-, Manufacturer URL=http://www.samtec.com/, Mating Products="FLE-105-01-G-DV-TR-ND-CONNSKT1.27MM10POSDUALSMDCLP-105-02-G-D-P-TR-ND-CONNRCPT10POSDUAL.05\"SMDSFMC-105-L2-S-D-TR-ND-CONN.05\"SURFACE10POSSMTSFMH-105-02-L-D-TR-ND-CONNRECEPT10POS.50\"SMTFLE-105-01-G-DV-A-ND-CONNSKT1.27MM10POSDUALSMDCLP-105-02-G-D-BE-ND-CONNRCPT10POSDUAL.05\"SMDFLE-105-01-G-DV-A-P-ND-CONNSKT1.27MM10POSDUALSMDSAM1153-05-ND-CONNRCPT10POSDUAL.05\"SMDSAM1155-05-ND-CONNRCPT10POSDUAL.05\"SMDSAM1154-05-ND-CONNRCPT10POSDUAL.05\"SMDSFMH-105-02-L-D-LC-ND-CONNRECEPT10POS.50\"SMTSAM1226-05-ND-CONNRCPT.05\"10POSDUALSMD", Mounting Type=SurfaceMount, Number of Positions=10, Number of Positions Loaded=All, Number of Rows=2, Online Catalog=FTSHSeries, Other Names=SAM1161-05, Packaging=Bulk, Pitch="0.050\"(1.27mm)", Product Training Modules=Board-to-BoardConnectors, Row Spacing="0.050\"(1.27mm)", Series=FTSH, Termination=Solder
P2: library part HR911105A, "HR911105A Ethernet Interface Arduino Platform Evaluation Expansion Board", Package=None, SuppliersPartNumber=C163507, Availability=Unavailable, MF=DFRobot, MP=HR911105A, Price=None
P11: "Header, 5-Pin", SuppliersPartNumber=C124379, LatestRevisionDate=17-Jul-2002, LatestRevisionNote="Re-released for DXP Platform.", Publisher="Altium Limited"
P14: "Header, 4-Pin", SuppliersPartNumber=C124378, Publisher="Altium Limited"
Q13_Ad Q13_As Q13_Bd Q13_Bs Q13_EN Q13_PWM Q13_Xd Q13_Xs Q13_Yd Q13_Ys Q13_Zd Q13_Zs: library part "SOT-23 MMBT5551  G1", "三极管", Package=SOT-23, SuppliersPartNumber=C2145, ComponentLink1Description=供应商链接, ComponentLink1URL=http://www.szlcsc.com/product/details_2502.html, Supplier=LC
R1: library part RES, "Resistor, ±5%, 0.05W", Part Number=R0201-0R, Part number IPS=00000003245, Artikkelnr Noca=N.A., ComponentLink1Description=Datasheet, ComponentLink2Description="Supplier link", Footprint Doc=0201, LatestRevisionDate=2017-11-09, Note="Chip Res 5%", Pin Count=2, Published=2014-11-13, Publisher="Nordic Semiconductor"
R2: library part "0402 1K (1001) 1%", "Chip resistor", Manufacturer="Uniroyal Elec", Package=0402, PartNumber=0402WGF1001TCE, Power=1/16W, Resistance=1KΩ, SuppliersPartNumber=C11702, Tolerance=1%, ComponentLink1Description="Supplier link", ComponentLink1URL=http://www.szlcsc.com/product/details_12256.html, Supplier=LC
R3 R4: library part "0402 22R (22R0) 1%", "Chip resistor", Manufacturer="Uniroyal Elec", Package=0402, PartNumber=0402WGF220JTCE, Power=1/16W, Resistance=22Ω, SuppliersPartNumber=C25092, Tolerance=1%, ComponentLink1Description="Supplier link", ComponentLink1URL=http://www.szlcsc.com/product/details_25835.html, Supplier=LC
R5 R6 R10: library part "0402 5.1K (5101) 1%", "Chip resistor", Manufacturer="Uniroyal Elec", Package=0402, PartNumber=0402WGF5101TCE, Power=1/16W, Resistance=51.1KΩ, SuppliersPartNumber=C25905, Tolerance=1%, ComponentLink1Description="Supplier link", ComponentLink1URL=http://www.szlcsc.com/product/details_26648.html, Supplier=LC
R7 R65 R69 R73 R75: library part "0402 100K (1003) 1%", "Chip resistor", Manufacturer="Uniroyal Elec", Package=0402, PartNumber=0402WGF1003TCE, Power=1/16W, Resistance=100KΩ, SuppliersPartNumber=C25741, Tolerance=1%, ComponentLink1Description="Supplier link", ComponentLink1URL=http://www.szlcsc.com/product/details_26484.html, Supplier=LC
R8: library part "0402 470R (4700) 1%", "Chip resistor", Manufacturer="Uniroyal Elec", Package=0402, PartNumber=0402WGF4700TCE, Power=1/16W, Resistance=470Ω, SuppliersPartNumber=C25117, Tolerance=1%, ComponentLink1Description="Supplier link", ComponentLink1URL=http://www.szlcsc.com/product/details_25860.html, Supplier=LC
R9 R15 R66 R70 R74 R76: library part "0402 510R (5100) 1%", "Chip resistor", Manufacturer="Uniroyal Elec", Package=0402, PartNumber=0402WGF5100TCE, Power=1/16W, Resistance=510Ω, SuppliersPartNumber=C25123, Tolerance=1%, ComponentLink1Description="Supplier link", ComponentLink1URL=http://www.szlcsc.com/product/details_25866.html, Supplier=LC
R11 R12 R13 R14: library part "0402 10K (1002) 1%", "Chip resistor", Manufacturer="Uniroyal Elec", Package=0402, PartNumber=0402WGF1002TCE, Power=1/16W, Resistance=10KΩ, SuppliersPartNumber=C25744, Tolerance=1%, ComponentLink1Description="Supplier link", ComponentLink1URL=http://www.szlcsc.com/product/details_26487.html, Supplier=LC
R16 R17 R18 R19: library part "0402 33R (33R0) 1%", "Chip resistor", Manufacturer="Uniroyal Elec", Package=0402, PartNumber=0402WGF330JTCE, Power=1/16W, Resistance=33Ω, SuppliersPartNumber=C25105, Tolerance=1%, ComponentLink1Description="Supplier link", ComponentLink1URL=http://www.szlcsc.com/product/details_25848.html, Supplier=LC
R20 R21 R23 R24: library part "0402 49.9R (49R9) 1%", "Chip resistor", Manufacturer="Uniroyal Elec", Package=0402, PartNumber=0402WGF499JTCE, Power=1/16W, Resistance=49.9Ω, SuppliersPartNumber=C25120, Tolerance=1%, ComponentLink1Description="Supplier link", ComponentLink1URL=http://www.szlcsc.com/product/details_25863.html, Supplier=LC
R22: library part "0603 10K (1002) 1%", "Chip resistor", Manufacturer="Uniroyal Elec", Package=0603, PartNumber=0603WAF1242T5E, Power=1/10W, Resistance=12.4K, SuppliersPartNumber=C22865, Tolerance=1%, ComponentLink1Description="Supplier link", ComponentLink1URL=http://www.szlcsc.com/product/details_26547.html, Supplier=LC
R25: library part "0402 10R (10R0) 1%", "Chip resistor", Manufacturer="Uniroyal Elec", Package=0402, PartNumber=0402WGF100JTCE, Power=1/16W, Resistance=10Ω, SuppliersPartNumber=C25077, Tolerance=1%, ComponentLink1Description="Supplier link", ComponentLink1URL=http://www.szlcsc.com/product/details_25820.html, Supplier=LC
R26: library part "0402 1M (1004) 1%", "Chip resistor", Manufacturer="Uniroyal Elec", Package=0402, PartNumber=0402WGF1004TCE, Power=1/16W, Resistance=1MΩ, SuppliersPartNumber=C26083, Tolerance=1%, ComponentLink1Description="Supplier link", ComponentLink1URL=http://www.szlcsc.com/product/details_26826.html, Supplier=LC
R27: library part "0402 0R (0R0) 1%", "Chip resistor", Manufacturer="Uniroyal Elec", Package=0402, PartNumber=0402WGF0000TCE, Power=1/16W, Resistance=0Ω, SuppliersPartNumber=C17168, Tolerance=1%, ComponentLink1Description="Supplier link", ComponentLink1URL=http://www.szlcsc.com/product/details_17853.html, Supplier=LC
R28 R29 R56_Ad R56_As R56_Bd R56_Bs R56_EN R56_PWM R56_Xd R56_Xs R56_Yd R56_Ys R56_Zd R56_Zs: library part "0402 330R (3300) 1%", "Chip resistor", Manufacturer="Uniroyal Elec", Package=0402, PartNumber=0402WGF3300TCE, Power=1/16W, Resistance=330Ω, SuppliersPartNumber=C25104, Tolerance=1%, ComponentLink1Description="Supplier link", ComponentLink1URL=http://www.szlcsc.com/product/details_25847.html, Supplier=LC
R30: library part "0402 4.7K (4701) 1%", "Chip resistor", Manufacturer="Uniroyal Elec", Package=0402, PartNumber=0402WGF4701TCE, Power=1/16W, Resistance=4.7KΩ, SuppliersPartNumber=C25900, Tolerance=1%, ComponentLink1Description="Supplier link", ComponentLink1URL=http://www.szlcsc.com/product/details_26643.html, Supplier=LC
R83_Ad R83_As R83_Bd R83_Bs R83_EN R83_PWM R83_Xd R83_Xs R83_Yd R83_Ys R83_Zd R83_Zs: library part "0402 2.2K (2201) 1%", "Chip resistor", Manufacturer="Uniroyal Elec", Package=0402, PartNumber=0402WGF2201TCE, Power=1/16W, Resistance=2.2KΩ, SuppliersPartNumber=C25879, Tolerance=1%, ComponentLink1Description="Supplier link", ComponentLink1URL=http://www.szlcsc.com/product/details_26622.html, Supplier=LC
SW1 SW2: library part CMP-2000-07073-2, "Side Push Type, 250 V, -40 to 90 degC, 3-Pin SMD, RoHS, Tape and Reel", Manufacturer=ALPS, Maximum Current Rating=0.05@12VDCA, Maximum DC Voltage Rating=12V, Operating Force=1.6N, Package Description="3-Pin Surface Mount Device, Body 4.5 x 3.55 mm, Pitch 1.225 mm", SuppliersPartNumber=C110293, AccessRights=2147483647, ContentType="Unified Component", ContentTypeGUID=CB3C11C4-E317-11DF-B822-12313F0024A2, Datasheet URL=http://www.alps.com/prod/info/E/PDF/Tact/SurfaceMount/SKRT/SKRT.PDF, Datasheet Version=06/2015, Folder="Unified Components\Components\New Releases\New\", FolderGUID=B7F4506A-9127-42E7-A087-46FE7B18D116, ItemGUID=EAC55BEC-37DC-4BDB-8BA7-D75E6D5C3D75, ItemHRID=CMP-2000-07073, LifeCycle=Released, LifeCycleStateGUID=61E382EE-6656-4F12-9E24-BE9327104A25, Manufacturer 1=ALPS, Manufacturer URL=http://www.alps.com/e/, Mounting=SurfaceMount, Mounting Technology=SurfaceMount, Package Reference=SKRTLAE010, Packaging=Tape&Reel, Pole Throw Configuration=SPST, Rad Hard=No, ReleaseDate="22/09/2017 06:13:25 AM", RevisionId=1, Switch Configuration=N.O.
U1: "RP2040 First MCU from RPI"
U2: library part W5500_[C32843], "Ethernet Controllers 2.97V ~ 3.63V 10/100 Base-T/TX PHY SPI LQFP-48_7x7x05P Ethernet ICs ROHS", Package=LQFP-48_7x7x05P, SuppliersPartNumber=C32843, ComponentLink1Description=供应商链接, ComponentLink1URL=http://www.szlcsc.com/product/details_33808.html, Supplier=LC
U18: library part 74HC14D_[C5605], "74系列逻辑芯片", Package=SOIC-14_150mil, SuppliersPartNumber=C5605, ComponentLink1Description=供应商链接, ComponentLink1URL=http://www.szlcsc.com/product/details_6056.html, Supplier=LC
VR1: library part "SOT-223 AMS1117-3.3", "Vout=3.3V 1A 72dB@(120Hz) (LDO)", Manufacturer 1=AMS, Package=SOT-223, SuppliersPartNumber=C6186, ComponentLink1Description=供应商链接, ComponentLink1URL=http://www.szlcsc.com/product/details_6652.html, Manufacturer Part Number 1=AMS1117-3.3, Supplier=LC
Y1: "Crystal or Oscillator", Manufacturer_Name=YXC, SuppliersPartNumber=C9002, Datasheet Link=https://datasheet.lcsc.com/szlcsc/YSX321SL-30MHZ-10PF-8PPM_C70576.pdf, HEIGHT=0.8mm, Manufacturer_Part_Number=YSX321SL
Y2: library part YSX321SL, "Crystal or Oscillator", Manufacturer_Name="Yangxing Tech", Manufacturer_Part_Number=X322525MSB4SI, SuppliersPartNumber=C13740, HEIGHT=0.8mm